# Altium PCB _Power_Rail_Probe.PcbDoc
Units mm, origin at the board's own origin, x right, y up, seen from the top; angles counter-clockwise.
Board outline 130 x 90 mm, 4 copper layers (Top Layer, Layer 1, Layer 2, Bottom Layer), stack 1.592 mm thick; 119 components, 67 nets, 331 pads, 45 vias.
Unrouted connection lines stored in the file: 48.
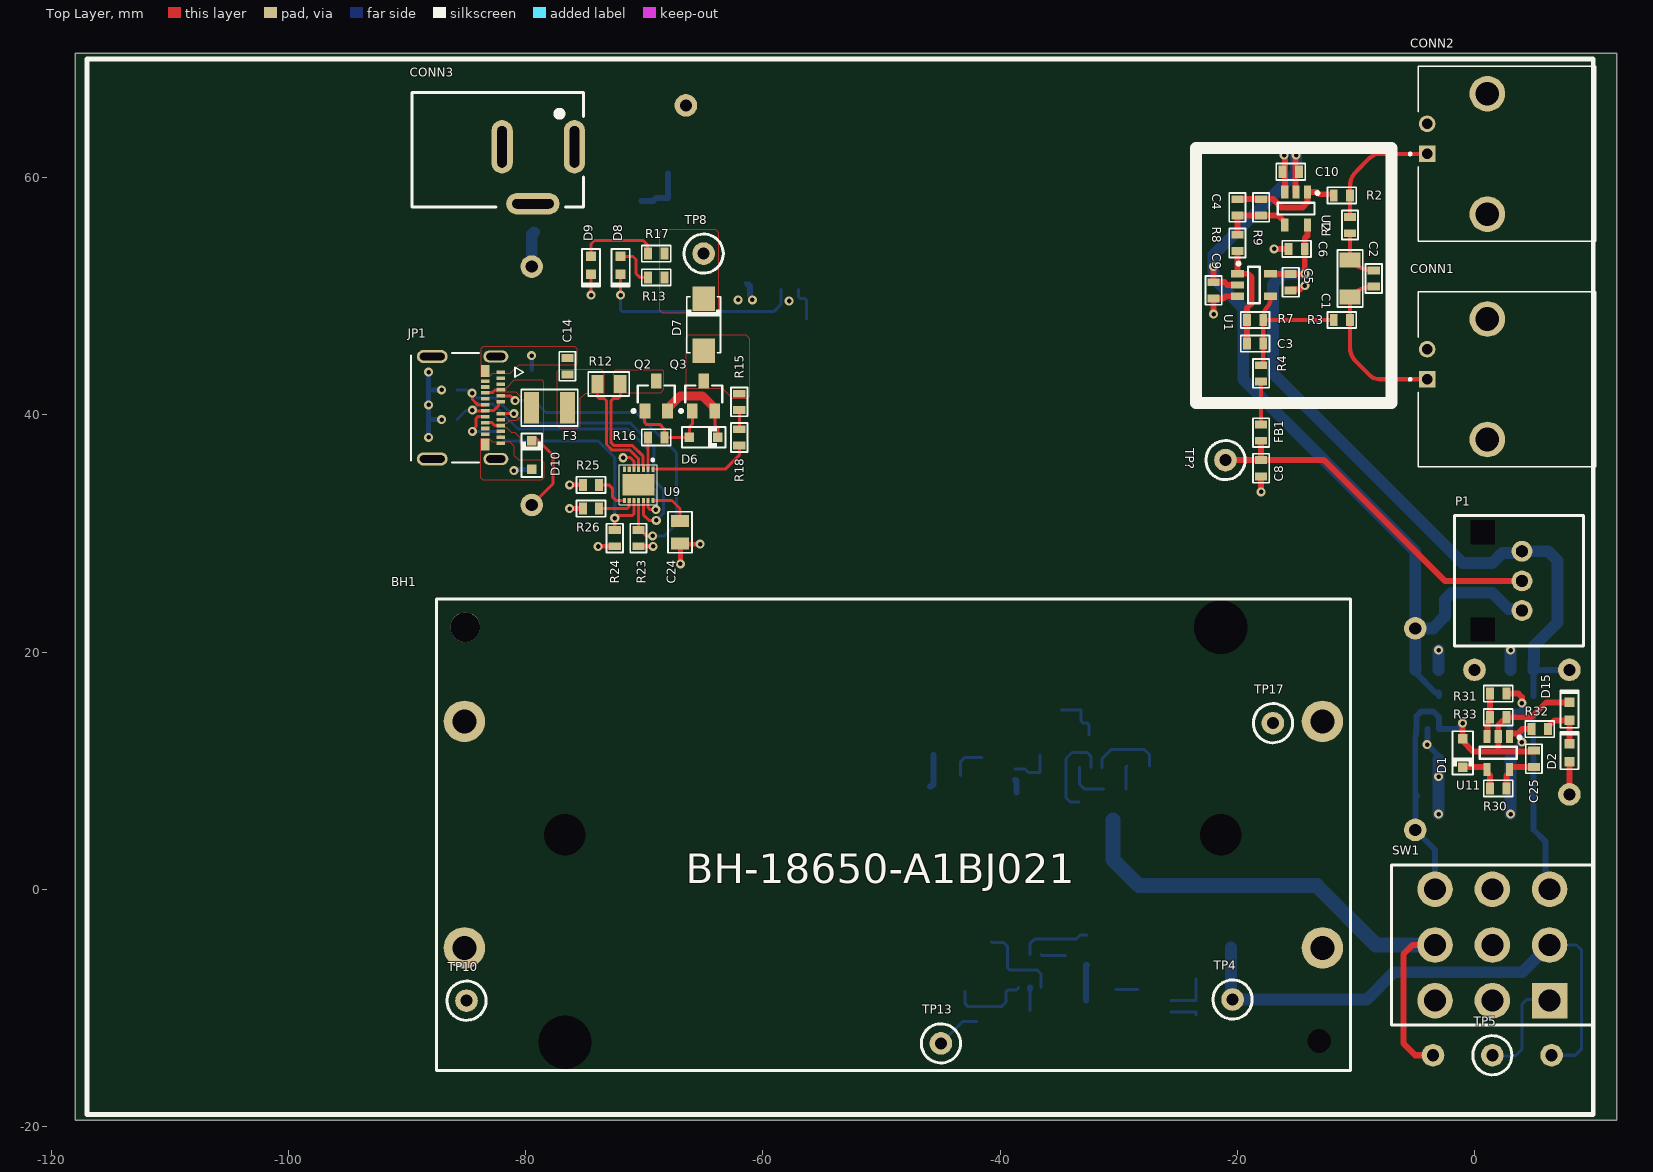
[diagram p0: Top Layer view]
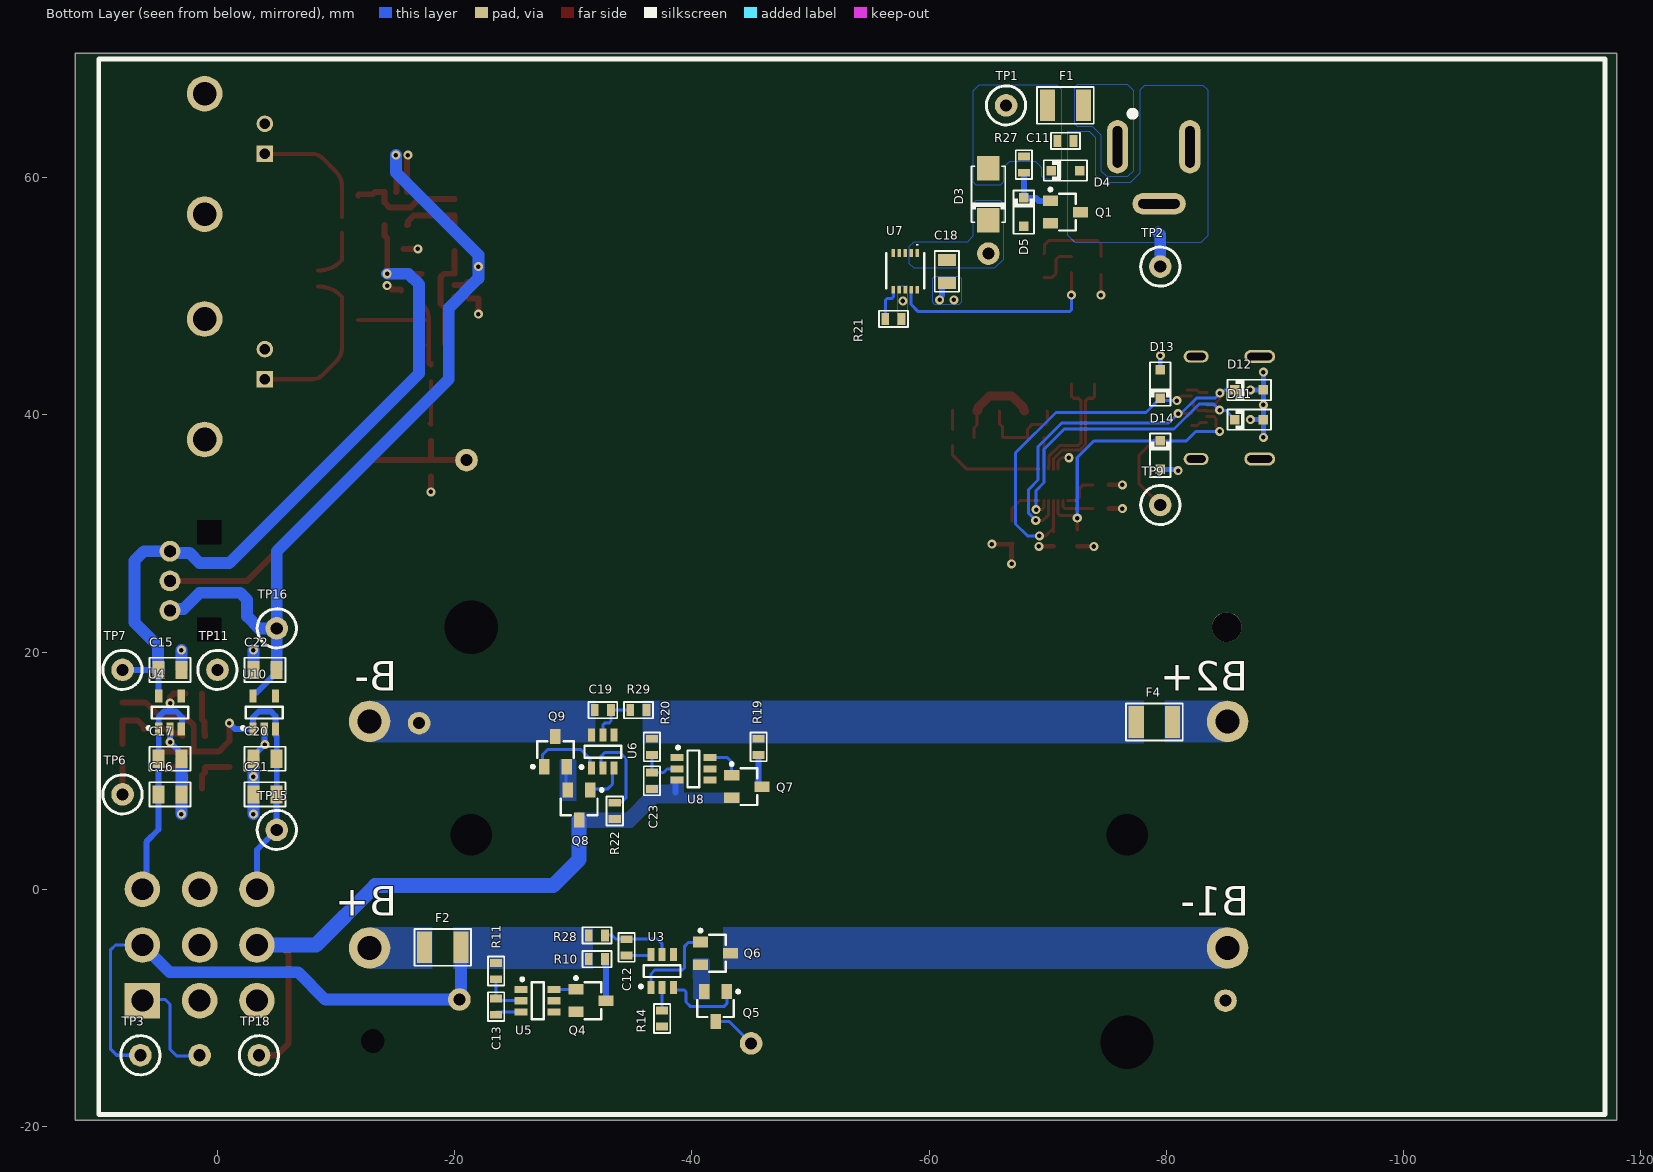
[diagram p1: Bottom Layer view, seen from below]
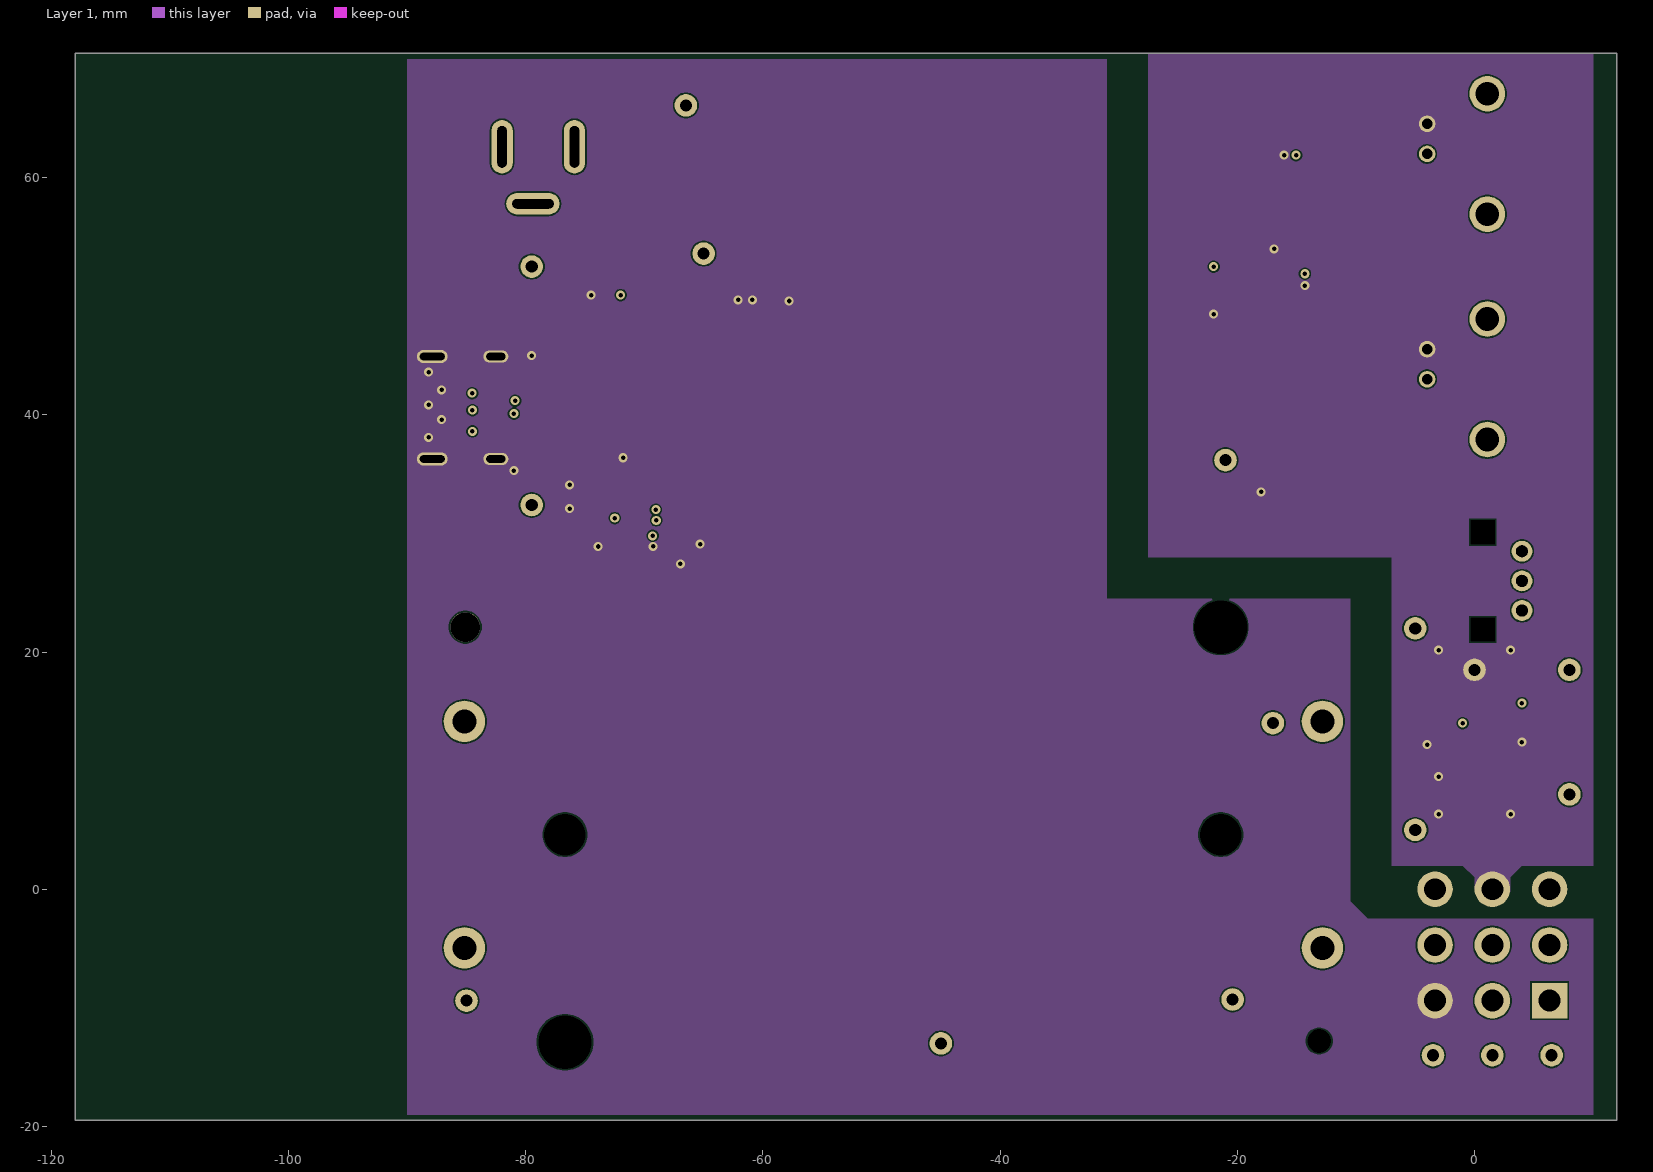
[diagram p2: Layer 1]
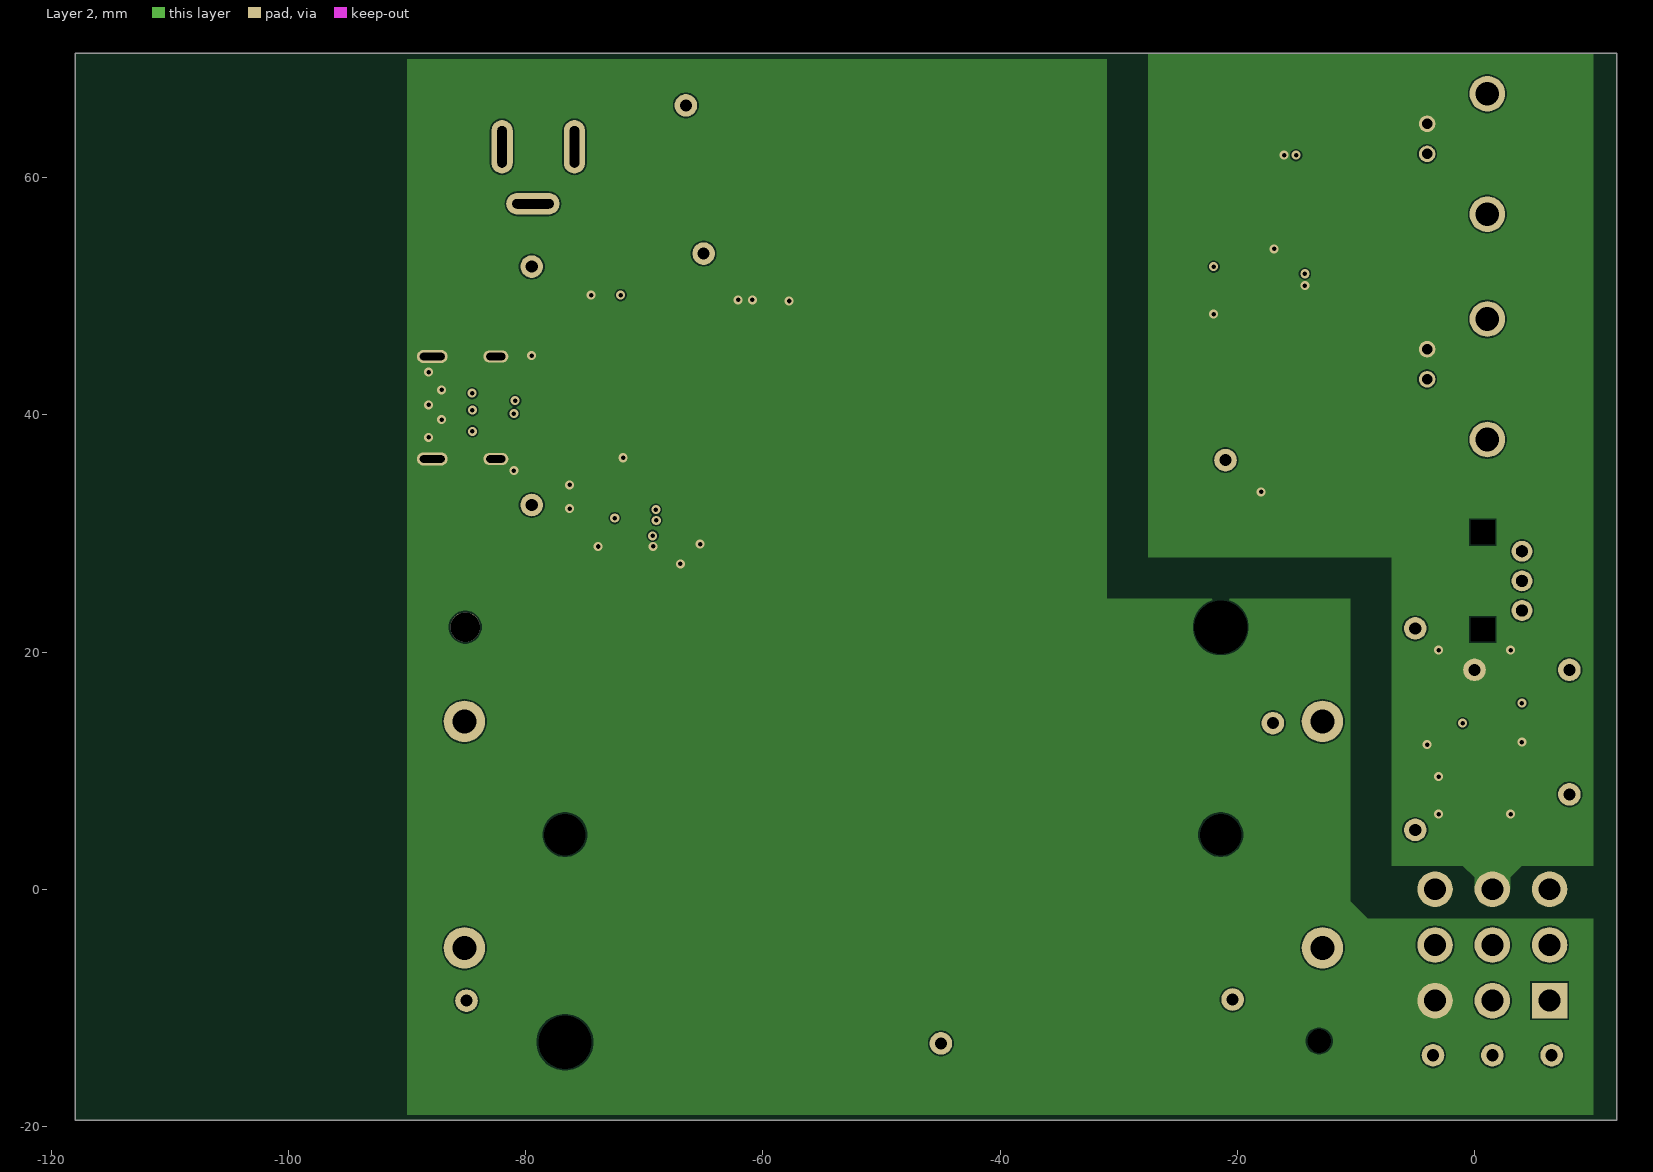
[diagram p3: Layer 2]
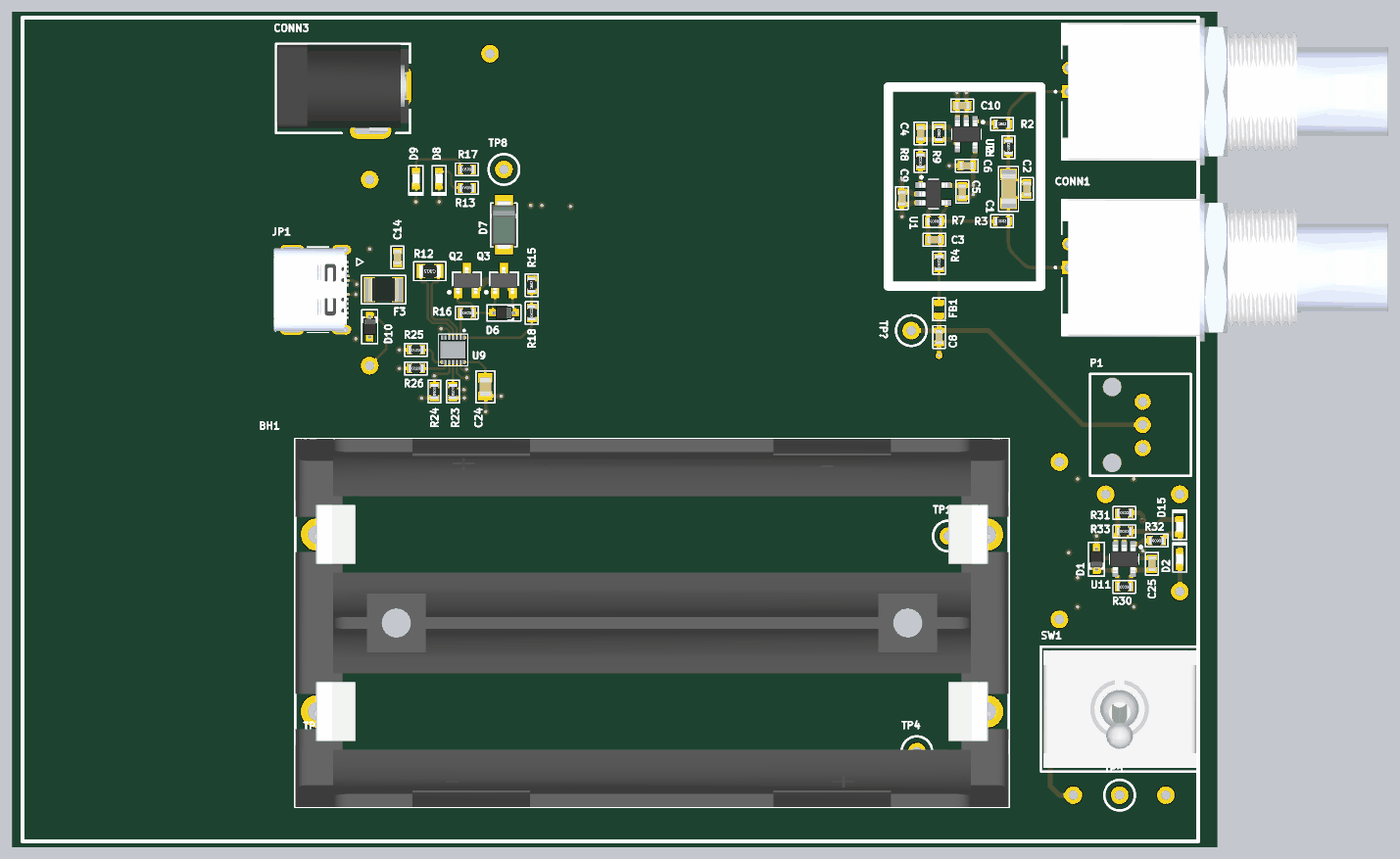
[diagram p4: 3D render of the assembled board from above, using the file's embedded part models]
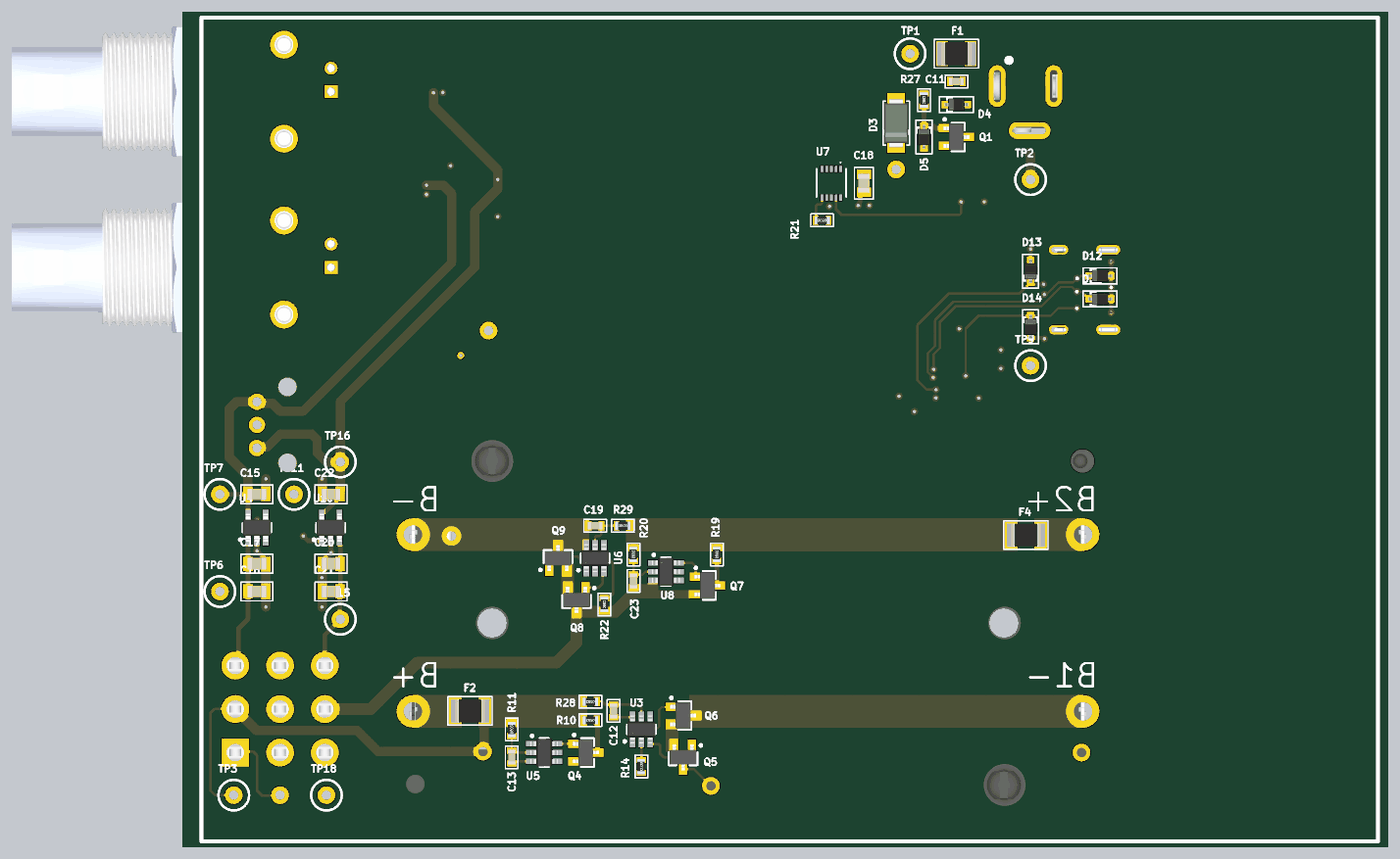
[diagram p5: 3D render of the assembled board from below, using the file's embedded part models]

## Layer stack, top to bottom
Top Solder: solder mask 0.0305, Solder Resist, Dk 3.5
Top Layer: signal copper 0.035
Dielectric 2: prepreg 0.2104, PP-022, Dk 4.4
Layer 1: signal copper 0.018
Dielectric 1: core 1.065, Core-043, Dk 4.6
Layer 2: signal copper 0.018
Dielectric 3: prepreg 0.2104, PP-022, Dk 4.4
Bottom Layer: signal copper 0.035
Bottom Solder: solder mask 0.0305, Solder Resist, Dk 3.5

## Board outline
-118,-19.5 -118,70.5 12,70.5 12,-19.5

## Design rules (kind name [scope] priority, off if disabled: settings)
Clearance [All] p1: gap=0.127 ignorepadtopadclearanceinfootprint=TRUE
DiffPairsRouting [InDifferentialPair('USB_D')] p1: maxlimit=0.254 minlimit=0.254 mostfreqgap=0.254 toplayer_minwidth=0.254 toplayer_maxwidth=0.381 toplayer_prefwidth=0.254 midlayer1_minwidth=0.254 midlayer1_maxwidth=0.381 midlayer1_prefwidth=0.254 midlayer2_minwidth=0.254 midlayer2_maxwidth=0.381 midlayer2_prefwidth=0.254 bottomlayer_minwidth=0.254 bottomlayer_maxwidth=0.381 bottomlayer_prefwidth=0.254 maxuncoupledlength=12.7
MatchedLengths MatchedLengths_USB [InDifferentialPair('USB_D')] p1: tolerance=25.4 checknetsindiffpair=FALSE checkdiffpairvsdiffpair=TRUE checkxsignals=TRUE checkothers=TRUE usedelayunits=TRUE delaytolerance=10.000000
PlaneConnect [All] p1: planeconnectstyle=Direct reliefexpansion=0.508 reliefentries=4 reliefconductorwidth=0.254 reliefairgap=0.254
PolygonConnect [All] p1: connectstyle=Direct reliefconductorwidth=0.254 reliefentries=4 polygonreliefangle="90 Angle" airgapwidth=0.254
RoutingVias [All] p1: holewidth=0.381 width=0.762 viastyle="Through Hole" minholewidth=0.381 minwidth=0.762 maxholewidth=0.762 maxwidth=1.016
SolderMaskExpansion [All] p1: expansion=0.102 istentingtop=FALSE
Width Width_Signal [InNetClass('50_Ohm_Tracks')] p1: maxlimit=0.349 minlimit=0.254 preferedwidth=0.349 toplayer_minwidth=0.349 bottomlayer_minwidth=0.349 impedanceprofiledriven=TRUE impedanceprofileid={102165CA-3B5F-4B1E-8828-496F2CCE18BE} impedanceprofilevalue=50.000000 minimp=50.000000 maximp=50.000000 favimp=50.000000
Width Width_Power [InNetClass('Power')] p2: maxlimit=2.54 minlimit=0.254 preferedwidth=0.254
Width [All] p3: maxlimit=1 minlimit=0.254 preferedwidth=0.254
28 further rules are at their usual default settings.

## Classes and differential pairs
net class 50_Ohm_Tracks: INPUT NetC1_2 NetC3_2 OUTPUT
net class Power: 2V5 -2V5 AUX BAT1_NEG BAT1_POS BAT2_NEG BAT2_POS BAT- GND_USB PGND SGND Vcc VCC_USB Vee
net class USB_POWER: GND_USB ISEL NetC14_2 NetC24_2 NetD6_A NetD6_K NetD7_A NetD9_A NetJP1_A2 NetJP1_A3 NetJP1_A8 NetJP1_A10 NetJP1_A11 NetJP1_B2 NetJP1_B3 NetJP1_B8 NetJP1_B10 NetJP1_B11 NetQ2_3 NetR15_1 NetR16_1 NetR18_1 NetR25_2 NetR26_2 NetU9_6 NetU9_7 USB_CC1 USB_CC2 USB_D_N USB_D_P Vcc VCC_USB VSEL
net class SIGNAL: 2V5 -2V5 INPUT NetC1_2 NetC3_1 NetC3_2 NetC4_1 NetC4_2 NetFB1_2 OFFSET OUTPUT SGND
net class ON_OFF: BAT1_POS BAT2_POS BAT- GND_USB NetSW1_1 NetSW1_4 SGND Vcc Vee
net class LDOS: 2V5 -2V5 NetU4_4 NetU10_4 SGND Vcc Vee
net class BATTERY: BAT1_NEG BAT1_POS BAT2_NEG BAT2_POS NetBH1_P1 NetBH1_P2
net class BAT_OVP_UVP: BAT1_NEG BAT1_POS BAT2_NEG BAT2_POS BAT- NetC12_2 NetC19_2 NetQ5_1 NetQ5_2 NetQ6_1 NetQ8_1 NetQ8_2 NetQ9_1 NetR14_2 NetR22_2 NetU3_4 NetU6_4
net class BAT_CHARGER: GND_USB NetD8_A NetD8_K NetR21_2 NetSW1_1 NetU7_5 NetU7_6 NetU7_11 Vcc
net class BAT_CHARGE_BALANCE: BAT1_POS BAT2_POS BAT- NetC13_2 NetC23_2 NetQ4_1 NetQ4_3 NetQ7_1 NetQ7_3 NetU5_4 NetU5_6 NetU8_4 NetU8_6
net class AUX_POWER: AUX GND_USB NetCONN3_1 NetCONN3_3 NetD5_K PGND Vcc
differential pair USB_D: +USB_D_P -USB_D_N

## Components (designator, comment, footprint, x,y, rotation, side; value= is the part's Value field where it differs from the comment)
BH1 "BH-18650-A1BJ021" BH-18650-A1BJ021 -49,4.6 r180 top locked
C1 "100nF" CAP_SMD_1206 -10.5,51.5 r90 top
C2 "DNP" CAP_SMD_0603 -8.5,51.5 r270 top
C3 "DNP" CAP_SMD_0603 -18.5,46 r0 top
C4 "DNP" CAP_SMD_0603 -20,57.5 r270 top
C5 "100nF" CAP_SMD_0603 -15.5,51.186 r270 top
C6 "100nF" CAP_SMD_0603 -15,54 r180 top
C8 "100nF" CAP_SMD_0603 -18,35.5 r90 top
C9 "100nF" CAP_SMD_0603 -22,50.5 r270 top
C10 "100nF" CAP_SMD_0603 -15.5,60.5 r180 top
C11 "100nF" CAP_SMD_0603 -71.5,63.1 r0 bottom
C12 "100nF" CAP_SMD_0603 -34.5,-4.9 r90 bottom
C13 "100nF" CAP_SMD_0603 -23.5,-9.9 r90 bottom
C14 "100nF" CAP_SMD_0603 -76.5,44.1 r270 top
C15 "2u2" CAP_SMD_0805 4,18.5 r0 bottom
C16 "2u2" CAP_SMD_0805 4,8 r0 bottom
C17 "2u2" CAP_SMD_0805 4,11 r0 bottom
C18 "2u2" CAP_SMD_0805 -61.5,52.1 r90 bottom
C19 "100nF" CAP_SMD_0603 -32.5,15.1 r180 bottom
C20 "2u2" CAP_SMD_0805 -4,11 r0 bottom
C21 "2u2" CAP_SMD_0805 -4,8 r0 bottom
C22 "2u2" CAP_SMD_0805 -4,18.5 r0 bottom
C23 "100nF" CAP_SMD_0603 -36.635,9.15 r90 bottom
C24 "2u2" CAP_SMD_0805 -67,30.1 r90 top
C25 "100nF" CAP_SMD_0603 5,11 r90 top
CONN1 "IN" CONBNC002 -4,43 r90 top
CONN2 "OUT" CONBNC002 -4,62 r90 top
CONN3 "AUX" ADC-002A -75.9,62.6 r90 top
D1 "5V6" SOD_323 -1,11.5 r270 top
D2 "BAT_LOW" LED_0603_1608 8,11.5 r90 top
D3 "SS14" DO_214_AC -65,58.6 r270 bottom
D4 "GSEC15B006" SOD_323 -71.5,60.6 r0 bottom
D5 "5V6" SOD_323 -68,57.1 r90 bottom
D6 "5V6" SOD_323 -65,38.1 r0 top
D7 "SS14" DO_214_AC -65,47.6 r90 top
D8 "CHRG" LED_0603_1608 -72,52.6 r270 top
D9 "DNP" LED_0603_1608 -74.5,52.6 r270 top
D10 "GSEC15B006" SOD_323 -79.5,36.6 r90 top
D11 "GSEC15B006" SOD_323 -87,39.6 r0 bottom
D12 "GSEC15B006" SOD_323 -87,42.1 r0 bottom
D13 "GSEC15B006" SOD_323 -79.5,42.6 r270 bottom
D14 "GSEC15B006" SOD_323 -79.5,36.6 r90 bottom
D15 "ON" LED_0603_1608 8,15 r90 top
F1 "SMD1206B050TF/15" RES_SMD_1210 -71.5,66.1 r180 bottom
F2 "SMD1206B050TF/15" RES_SMD_1210 -19,-4.9 r180 bottom
F3 "SMD1206B050TF/15" RES_SMD_1210 -78,40.6 r180 top
F4 "SMD1206B050TF/15" RES_SMD_1210 -79,14.1 r0 bottom
FB1 "MPZ1608S102ATA00" FERRITE_SMD_0603 -18,38.5 r90 top
JP1 "698A106-162-211" 1054500101 -85,40.6 r270 top
P1 "10K" POTENCIOMETRO_09VR1S25F1N103B1 4,26 r0 top
Q1 "SSF2300" SOT_23-3 -71.5,57.1 r180 bottom
Q2 "SSF2300" SOT_23-3 -69,41.6 r90 top
Q3 "SSF2300" SOT_23-3 -65,41.6 r90 top
Q4 "SSF2300" SOT_23-3 -31.5,-9.4 r180 bottom
Q5 "SSF2300" SOT_23-3 -42,-9.9 r270 bottom
Q6 "SSF2300" SOT_23-3 -42,-5.4 r180 bottom
Q7 "SSF2300" SOT_23-3 -44.635,8.65 r180 bottom
Q8 "SSF2300" SOT_23-3 -30.5,7.1 r270 bottom
Q9 "SSF2300" SOT_23-3 -28.5,11.6 r90 bottom
R1 "4R99" RES_SMD_0603 -10.5,56 r90 top
R2 "499R" RES_SMD_0603 -11.186,58.5 r0 top
R3 "49K9" RES_SMD_0603 -11.186,48 r0 top
R4 "2K49" RES_SMD_0603 -18,43.5 r90 top
R7 "49K9" RES_SMD_0603 -18.5,48 r180 top
R8 "1K" RES_SMD_0603 -20,54.5 r90 top
R9 "1K" RES_SMD_0603 -18,57.5 r90 top
R10 "100R" RES_SMD_0603 -32,-5.9 r0 bottom
R11 "100R" RES_SMD_0603 -23.5,-6.9 r90 bottom
R12 "5mR" RES_SMD_0805 -73,42.6 r180 top
R13 "1K" RES_SMD_0603 -69,51.6 r0 top
R14 "1K" RES_SMD_0603 -37.5,-10.9 r90 bottom
R15 "100R" RES_SMD_0603 -62,41.1 r90 top
R16 "10k" RES_SMD_0603 -69,38.1 r0 top
R17 "DNP" RES_SMD_0603 -69,53.6 r0 top
R18 "100R" RES_SMD_0603 -62,38.1 r90 top
R19 "100R" RES_SMD_0603 -45.635,12.006 r90 bottom
R20 "100R" RES_SMD_0603 -36.635,12.006 r90 bottom
R21 "1K" RES_SMD_0603 -57,48.1 r0 bottom
R22 "1K" RES_SMD_0603 -33.5,6.6 r90 bottom
R23 "5K1" RES_SMD_0603 -70.5,29.6 r90 top
R24 "5K1" RES_SMD_0603 -72.5,29.6 r90 top
R25 "82k" RES_SMD_0603 -74.5,34.1 r0 top
R26 "82k" RES_SMD_0603 -74.5,32.1 r0 top
R27 "10k" RES_SMD_0603 -68,61.1 r90 bottom
R28 "100R" RES_SMD_0603 -32,-3.9 r0 bottom
R29 "100R" RES_SMD_0603 -35.5,15.1 r180 bottom
R30 "2K49" RES_SMD_0603 2,8.5 r0 top
R31 "82k" RES_SMD_0603 2,16.5 r0 top
R32 "1K" RES_SMD_0603 5.5,13.5 r180 top
R33 "5K1" RES_SMD_0603 2,14.5 r180 top
SW1 "GF-661-0010" 1003P1T2B1M2QEH 1.5,-4.7 r0 top
TP1 "AUX" Test_Point_THT -66.5,66.1 r180 bottom
TP2 "PGND" Test_Point_THT -79.5,52.5 r180 bottom
TP3 "BAT+" Test_Point_THT 6.5,-14 r180 bottom
TP4 "B1+" Test_Point_THT -20.4,-9.3 r0 top
TP5 "CHG_OUT" Test_Point_THT 1.5,-14 r0 top
TP6 "VCC" Test_Point_THT 8,8 r180 bottom
TP7 "2V5" Test_Point_THT 8,18.5 r180 bottom
TP8 "V_SUM" Test_Point_THT -65,53.6 r0 top
TP9 "USB" Test_Point_THT -79.5,32.4 r180 bottom
TP10 "B1-" Test_Point_THT -85,-9.4 r0 top
TP11 "SGND" Test_Point_THT 0,18.5 r180 bottom
TP13 "B2+" Test_Point_THT -45,-13 r0 top
TP15 "VEE" Test_Point_THT -5,5 r180 bottom
TP16 "-2V5" Test_Point_THT -5,22 r180 bottom
TP17 "B2-" Test_Point_THT -17,14 r0 top
TP18 "BAT-" Test_Point_THT -3.5,-14 r180 bottom
TP? "OFFSET" Test_Point_THT -21,36.186 r270 top
U1 "OPA354AIDBVR" SOT_23-5#1 -20,51.9 r0 top
U2 "OPA354AIDBVR" SOT_23-5#1 -14.1,58.794 r270 top
U3 "DW01A" SOT_23-6 -37.5,-6.9 r90 bottom
U4 "NCP163ASN250T1G" SOT_23-5#1 4.95,13.5 r90 bottom
U5 "HY2213" SOT_23-6 -27,-9.4 r180 bottom
U6 "DW01A" SOT_23-6 -32.5,11.6 r90 bottom
U7 "MCP73123" DFN_10 -58,52.1 r270 bottom
U8 "HY2213" SOT_23-6 -40.135,10.15 r180 bottom
U9 "AP33771CFBZ-13-FA01" DFN_14 -70.5,34.1 r270 top
U10 "ADP7183ACPZN-R7" SOT_23-5#1 -3,13.5 r90 bottom
U11 "OPA354AIDBVR" SOT_23-5#2 2,11.5 r270 top
